# Altium PCB 3-as-manufactured.pcbdoc (part 3 of 12) (continued)
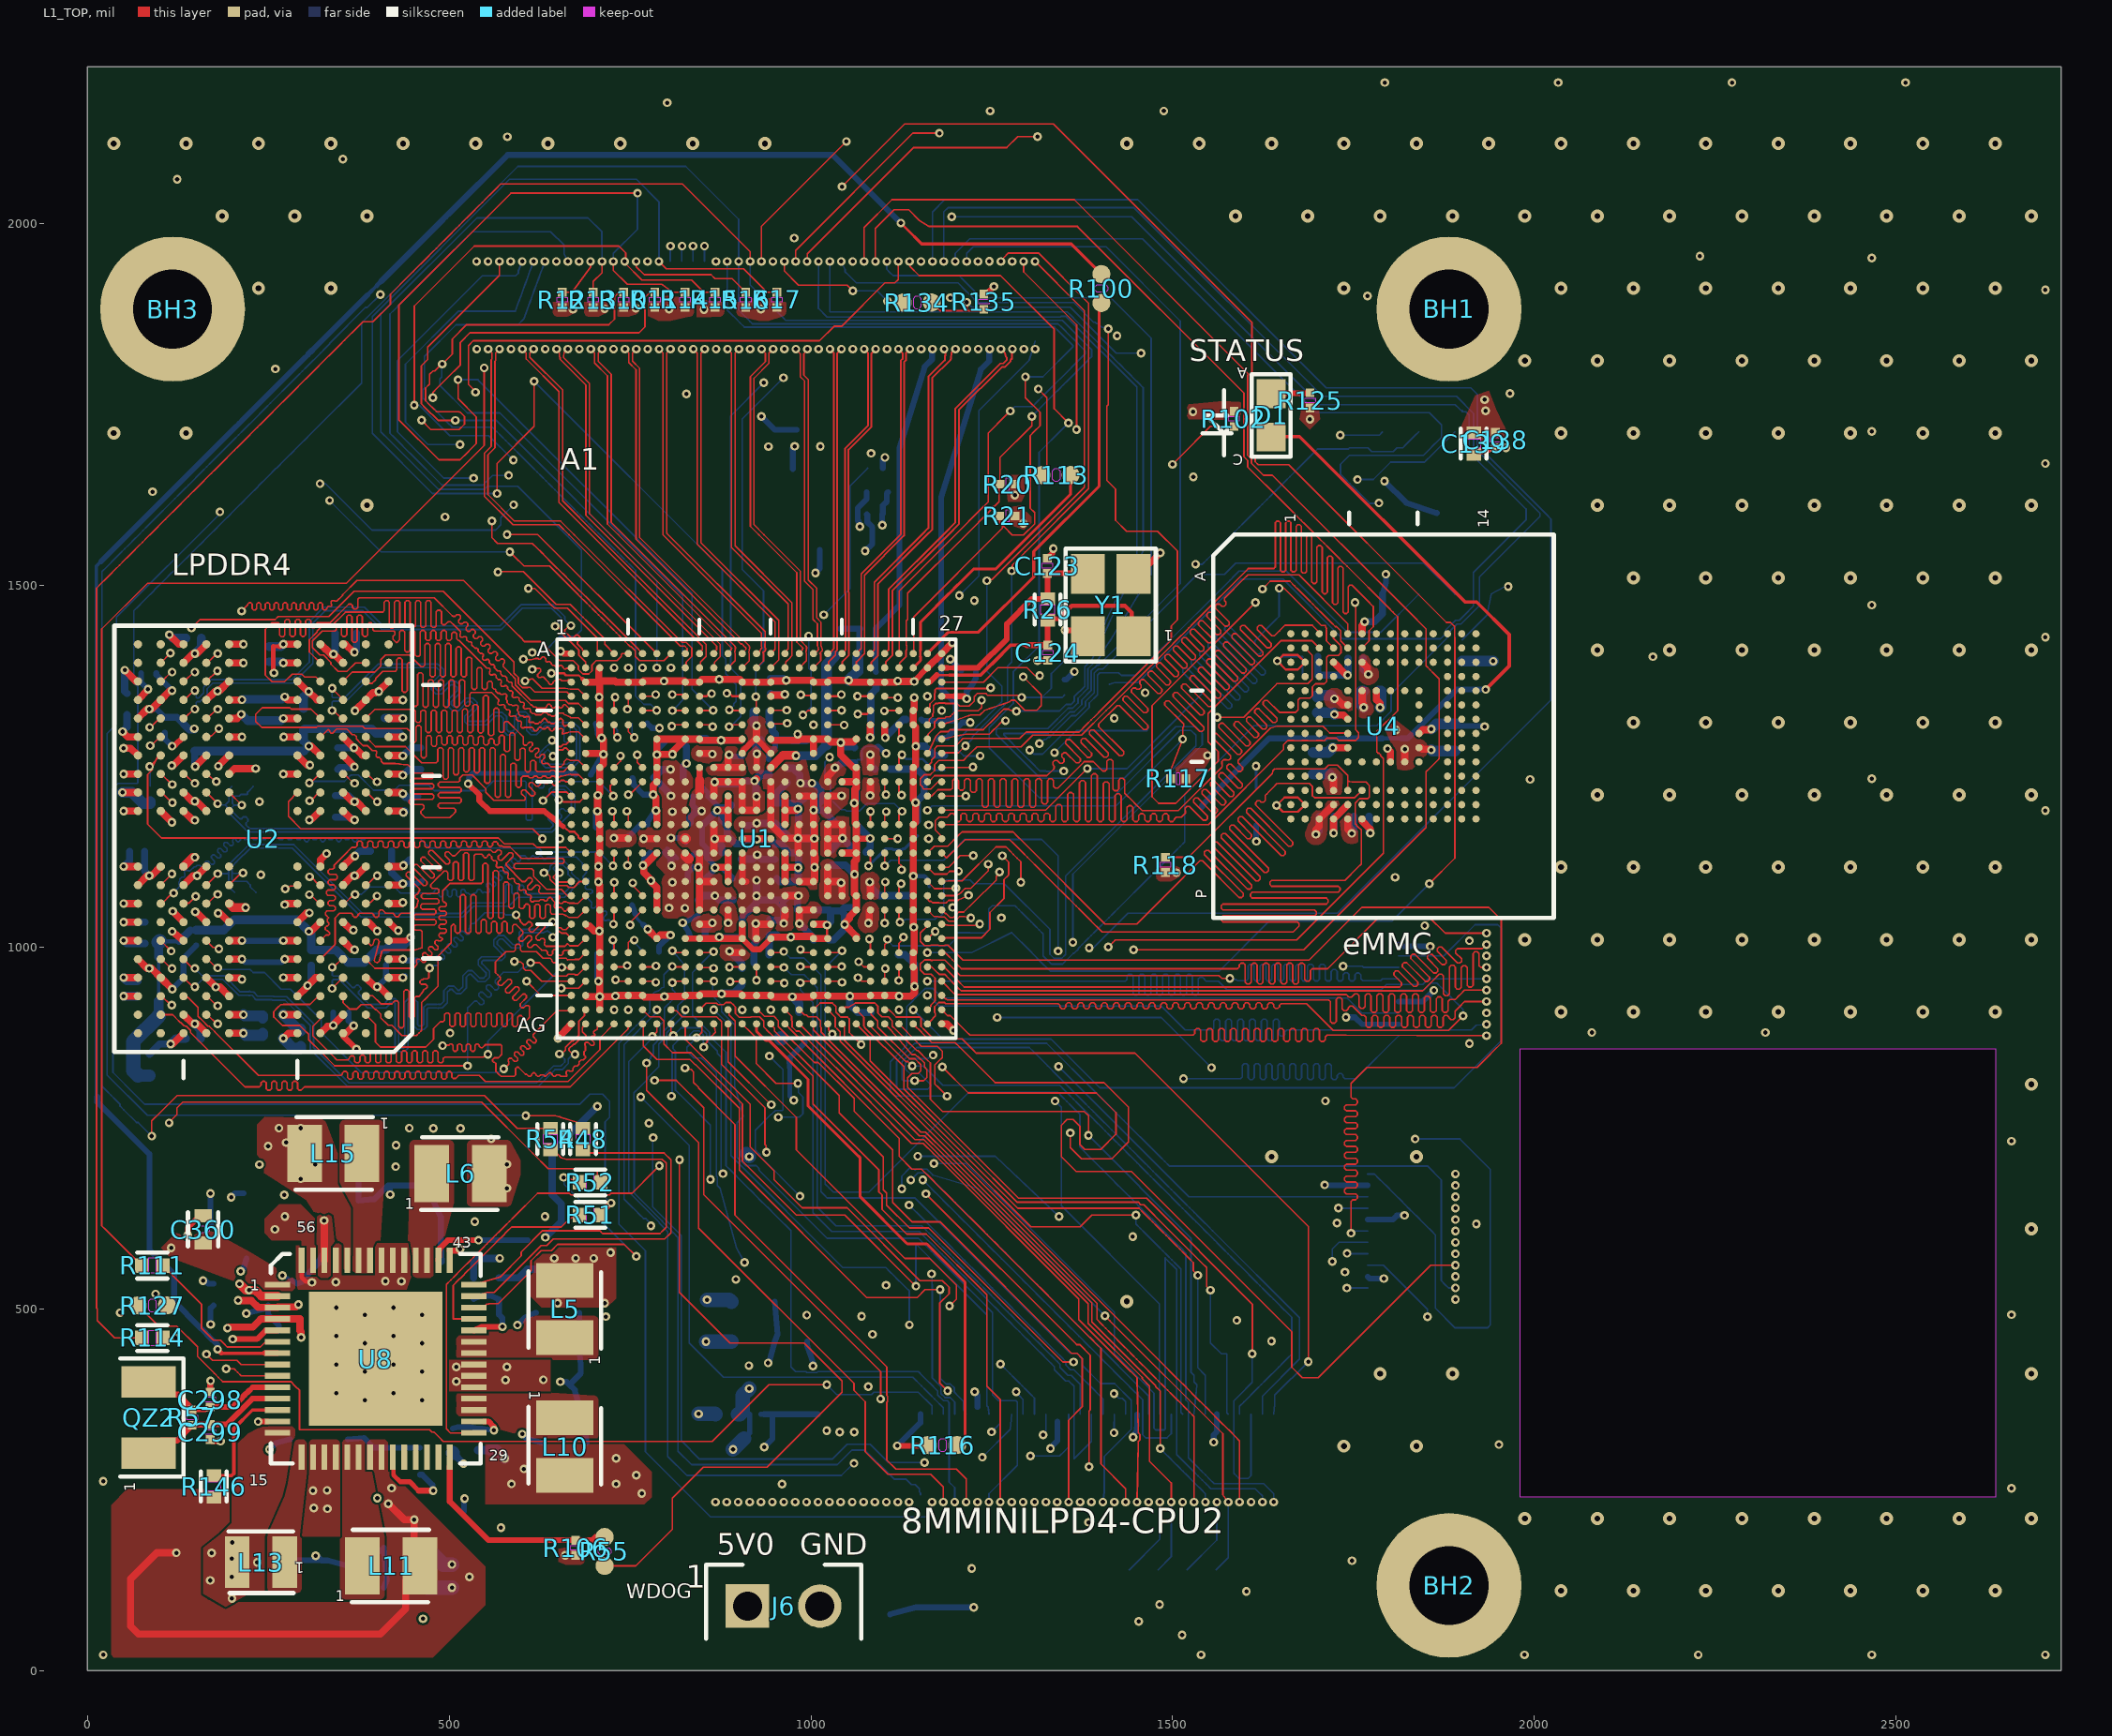
[diagram p0: L1_TOP view]
## Nets (pads, with @x,y where several pads share a name; then routed paths per layer and width w, separated by ;. In a path a pad name is that pad's centre, name@x,y a point inside that pad or via, vN(x,y) a via of type N, cw(c..) or ccw(c..) an arc to the next point about the centre after c; other vN are vias at no path point) (continued)
DRAMA_DATA10: U1.J1 U2.V4 | length 947.3
  L1_TOP w2.2: U2.V4@322.07,1316.24 309.33,1328.98 282.02,1328.98 280,1331 242,1331 233,1322 233,1312 241.26,1303.74 316.74,1303.74 318.55,1305.55 380.41,1305.55 383.8,1302.16 439.83,1302.16 442.22,1302.16 446.93,1297.45 446.93,1284.97 449.09,1282.81 451.97,1282.81 454.13,1284.97 454.13,1304.15 456.29,1306.31 459.17,1306.31 461.33,1304.15 461.33,1263.76 463.49,1261.6 466.37,1261.6 468.53,1263.76 468.53,1290.23 470.69,1292.39 473.57,1292.39 475.73,1290.23 475.73,1279.89 477.89,1277.73 480.77,1277.73 482.93,1279.89 482.93,1290.23 485.09,1292.39 487.97,1292.39 490.13,1290.23 490.13,1281.85 492.29,1279.69 495.17,1279.69 497.33,1281.85 497.33,1290.23 499.49,1292.39 502.37,1292.39 504.53,1290.23 504.53,1281.85 506.69,1279.69 509.57,1279.69 511.73,1281.85 511.73,1290.23 513.89,1292.39 516.77,1292.39 518.93,1290.23 518.93,1281.85 521.09,1279.69 523.97,1279.69 526.13,1281.85 526.13,1290.23 528.29,1292.39 531.17,1292.39 533.33,1290.23 533.33,1281.85 535.49,1279.69 538.37,1279.69 540.53,1281.85 540.53,1289.69 542.69,1291.85 545.57,1291.85 547.73,1289.69 547.73,1281.85 549.89,1279.69 552.77,1279.69 554.93,1281.85 554.93,1286.03 557.09,1288.19 559.97,1288.19 562.13,1286.03 562.13,1281.85 564.29,1279.69 567.17,1279.69 569.33,1281.85 569.33,1290.6 571.49,1292.76 574.37,1292.76 576.53,1290.6 576.53,1272.6 578.69,1270.44 581.57,1270.44 583.73,1272.6 583.73,1294.17 585.89,1296.33 588.77,1296.33 590.93,1294.17 590.93,1260.62 593.09,1258.46 595.97,1258.46 598.13,1260.62 598.13,1272.9 600.29,1275.06 603.17,1275.06 605.33,1272.9 605.33,1244.48 607.49,1242.32 610.37,1242.32 612.53,1244.48 612.53,1255.93 614.69,1258.09 617.57,1258.09 619.73,1255.93 619.73,1244.79 621.89,1242.63 638.96,1242.63 641,1244.67 645.01,1244.67 647.04,1242.63 647.65,1242.63 658.26,1242.63 663.94,1248.31 U1.J1@668.98,1248.32
DRAMA_DATA11: U1.J2 U2.V2 | length 940.6
  L1_TOP w2.2: U2.V2@385.06,1316.24 397.71,1328.89 443.23,1328.89 446.89,1328.89 447.48,1329.23 451.53,1328.17 453.69,1326.01 453.69,1312.67 455.85,1310.51 458.73,1310.51 460.89,1312.67 460.89,1325.3 463.05,1327.46 465.93,1327.46 468.09,1325.3 468.09,1298.75 470.25,1296.59 473.13,1296.59 475.29,1298.75 475.29,1325.3 477.45,1327.46 480.33,1327.46 482.49,1325.3 482.49,1298.75 484.65,1296.59 487.53,1296.59 489.69,1298.75 489.69,1325.3 491.85,1327.46 494.73,1327.46 496.89,1325.3 496.89,1298.75 499.05,1296.59 501.93,1296.59 504.09,1298.75 504.09,1325.3 506.25,1327.46 509.13,1327.46 511.29,1325.3 511.29,1298.75 513.45,1296.59 516.33,1296.59 518.49,1298.75 518.49,1327.03 520.65,1329.19 523.53,1329.19 525.69,1327.03 525.69,1298.75 527.85,1296.59 530.73,1296.59 532.89,1298.75 532.89,1333.08 535.05,1335.24 537.93,1335.24 540.09,1333.08 540.09,1298.21 542.25,1296.05 545.13,1296.05 547.29,1298.21 547.29,1345.64 549.45,1347.8 552.33,1347.8 554.49,1345.64 554.49,1294.55 556.65,1292.39 559.53,1292.39 561.69,1294.55 561.69,1328.21 563.85,1330.37 566.73,1330.37 568.89,1328.21 568.89,1299.12 571.05,1296.96 573.93,1296.96 576.09,1299.12 576.09,1309.74 578.25,1311.9 581.3,1311.9 599.12,1294.09 602.47,1290.73 602.47,1280.67 603.89,1279.26 606.77,1279.26 611.07,1283.55 613.95,1283.55 615.36,1282.14 615.36,1279.26 611.07,1274.96 611.07,1272.08 612.48,1270.67 615.36,1270.67 619.66,1274.96 622.54,1274.96 623.95,1273.55 623.95,1270.67 619.66,1266.37 619.66,1263.49 621.07,1262.07 623.95,1262.07 628.25,1266.37 631.13,1266.37 632.55,1264.95 632.55,1262.07 628.25,1257.78 628.25,1254.9 629.67,1253.48 632.55,1253.48 633.25,1254.19 636.13,1254.19 640.97,1249.35 654.82,1249.35 659.11,1253.65 659.11,1256.53 662.93,1260.34 667.48,1258.15 ; 667.48,1258.17 678.82,1258.17 U1.J2@688.67,1248.32
DRAMA_DATA12: U1.K2 U2.U2 | length 984.1
  L1_TOP w2.2: U2.U2@385.06,1290.65 398.39,1277.32 439.68,1277.32 462,1255 481.26,1255 482.36,1255 484.52,1257.16 484.52,1273.37 486.68,1275.53 489.56,1275.53 491.72,1273.37 491.72,1234.53 493.88,1232.37 496.76,1232.37 498.92,1234.53 498.92,1273.37 501.08,1275.53 503.96,1275.53 506.12,1273.37 506.12,1240.42 508.28,1238.26 511.16,1238.26 513.32,1240.42 513.32,1273.37 515.48,1275.53 518.36,1275.53 520.52,1273.37 520.52,1244.36 522.68,1242.2 525.56,1242.2 527.72,1244.36 527.72,1273.37 529.88,1275.53 532.76,1275.53 534.92,1273.37 534.92,1243.18 537.08,1241.02 539.96,1241.02 542.12,1243.18 542.12,1273.37 544.28,1275.53 547.16,1275.53 549.32,1273.37 549.32,1228.78 551.48,1226.62 554.36,1226.62 556.52,1228.78 556.52,1273.37 558.68,1275.53 561.56,1275.53 563.72,1273.37 563.72,1209.38 565.88,1207.22 568.76,1207.22 570.92,1209.38 570.92,1264.12 573.08,1266.28 575.96,1266.28 578.12,1264.12 578.12,1209.36 580.28,1207.2 583.16,1207.2 585.32,1209.36 585.32,1252.14 587.48,1254.3 590.36,1254.3 592.52,1252.14 592.52,1223.03 594.68,1220.87 597.56,1220.87 599.72,1223.03 599.72,1234.16 601.88,1236.32 606.54,1236.32 609.34,1236.32 611.38,1234.28 615.38,1234.28 617.42,1236.32 621.42,1236.32 623.46,1234.28 627.46,1234.28 629.5,1236.32 633.5,1236.32 635.54,1234.28 639.54,1234.28 641.58,1236.32 645.58,1236.32 647.62,1234.28 651.62,1234.28 653.66,1236.32 655.66,1236.32 661.61,1237.78 667.68,1239.26 668.98,1238.48 678.82,1238.48 U1.K2@688.67,1228.64
DRAMA_DATA13: U1.K1 U2.U4 | length 930
  L1_TOP w2.2: U2.U4@322.07,1290.65 326.48,1294.43 332.85,1300.8 333.08,1300.8 335,1298.88 335,1297.88 337.04,1295.84 339.04,1295.84 344.54,1301.34 358.75,1301.34 366.31,1293.79 369.19,1293.79 372.02,1290.96 372.02,1288.08 374.7,1285.39 374.7,1285.1 381.39,1278.41 387.62,1278.41 394.31,1271.72 398.43,1271.72 399.84,1270.31 399.84,1267.43 399.14,1266.72 399.14,1263.84 400.55,1262.42 403.43,1262.42 406.26,1259.59 406.26,1256.71 408.95,1254.02 411.69,1254.02 411.9,1253.81 421.03,1253.81 421.25,1254.02 425.56,1254.02 431.29,1253.23 437.02,1252.44 443.06,1252.44 450,1245.5 450,1243.78 450,1242.67 452.16,1240.51 476.88,1240.51 479.04,1238.35 479.04,1235.47 476.88,1233.31 449.06,1233.31 446.9,1231.15 446.9,1228.27 449.06,1226.11 476.88,1226.11 479.04,1223.95 479.04,1221.07 476.88,1218.91 448.82,1218.91 446.66,1216.75 446.66,1213.87 448.82,1211.71 476.88,1211.71 479.04,1209.55 479.04,1206.67 476.88,1204.51 446.87,1204.51 444.71,1202.35 444.71,1199.47 446.87,1197.31 463.26,1197.31 465.42,1195.15 465.42,1192.27 463.26,1190.11 461.1,1187.95 461.1,1184.9 466.32,1179.68 467,1179 501,1179 507.86,1185.86 508.96,1186.96 508.96,1190.01 506.8,1192.17 487.31,1192.17 485.15,1194.33 485.15,1197.21 487.31,1199.37 514.77,1199.37 516.93,1201.53 516.93,1204.41 514.77,1206.57 487.31,1206.57 485.15,1208.73 485.15,1211.61 487.31,1213.77 514.77,1213.77 516.93,1215.93 516.93,1218.81 514.77,1220.97 487.31,1220.97 485.15,1223.13 485.15,1226.01 487.31,1228.17 512.84,1228.17 515,1230.33 515,1233.67 515,1234 519,1238 532,1238 551,1219 551,1214 562,1203 603.97,1203 604.36,1203.39 605.14,1204.17 605.14,1207.22 600.05,1212.31 600.05,1215.37 602.08,1217.4 605.14,1217.4 613.43,1209.11 616.49,1209.11 618.52,1211.15 618.52,1214.2 610.23,1222.49 610.23,1225.55 612.27,1227.58 615.32,1227.58 620.41,1222.5 623.47,1222.5 624.54,1223.57 626.57,1225.6 626.57,1226.6 628.61,1228.64 630.61,1228.64 632.65,1226.6 636.65,1226.6 638.69,1228.64 640.69,1228.64 642.73,1226.6 642.73,1225.6 644.77,1223.57 646.77,1223.57 648.8,1225.6 648.8,1226.6 650.84,1228.64 652.84,1228.64 654.88,1230.68 658.88,1230.68 660.92,1228.64 U1.K1@668.98,1228.64
DRAMA_DATA14: U1.E1 U2.AA4 | length 868.7
  L1_TOP w2.2: U2.AA4@322.07,1393.01 307.02,1408.06 307.02,1424.83 317.73,1435.54 317.73,1436.98 322.73,1441.98 333.98,1441.98 336.02,1444.02 337.84,1444.02 356.82,1463 407.04,1463 408.14,1463 410.3,1465.16 410.3,1476.7 412.46,1478.86 415.34,1478.86 417.5,1476.7 417.5,1443.19 419.66,1441.03 422.54,1441.03 424.7,1443.19 424.7,1476.7 426.86,1478.86 429.74,1478.86 431.9,1476.7 431.9,1444.14 434.06,1441.98 436.94,1441.98 439.1,1444.14 439.1,1476.7 441.26,1478.86 444.14,1478.86 446.3,1476.7 446.3,1444.14 448.46,1441.98 451.34,1441.98 453.5,1444.14 453.5,1476.7 455.66,1478.86 458.54,1478.86 460.7,1476.7 460.7,1444.14 462.86,1441.98 465.74,1441.98 467.9,1444.14 467.9,1476.7 470.06,1478.86 472.94,1478.86 475.1,1476.7 475.1,1444.14 477.26,1441.98 480.14,1441.98 482.3,1444.14 482.3,1463.67 484.46,1465.83 487.34,1465.83 489.5,1463.67 489.5,1447.87 491.66,1445.71 494.54,1445.71 496.7,1447.87 498.86,1450.03 501.91,1450.03 507.96,1443.98 515.74,1436.2 515.74,1433.32 515.03,1432.61 515.03,1429.73 516.45,1428.32 519.33,1428.32 520.03,1429.03 522.91,1429.03 524.33,1427.61 524.33,1424.73 527.16,1421.9 530.04,1421.9 531.46,1420.48 531.46,1417.6 535.75,1413.31 538.63,1413.31 540.05,1411.89 540.05,1409.01 542.88,1406.18 545.76,1406.18 547.18,1404.76 547.18,1401.88 546.47,1401.18 546.47,1398.3 547.89,1396.88 550.77,1396.88 551.47,1397.59 554.35,1397.59 555.77,1396.17 555.77,1393.29 558.6,1390.46 561.48,1390.46 562.9,1389.04 562.9,1386.16 567.19,1381.87 570.07,1381.87 571.49,1380.45 571.49,1377.57 574.32,1374.74 577.2,1374.74 578.62,1373.33 580.03,1371.91 580.03,1369.03 582.86,1366.2 585.74,1366.2 587.16,1364.78 587.16,1361.09 613.39,1334.86 614.2,1334.86 617.04,1332.03 619.92,1332.03 621.33,1330.61 633.03,1330.61 635.07,1332.65 635.07,1333.65 637.11,1335.68 639.11,1335.68 641.15,1333.65 641.15,1332.65 643.18,1330.61 645.18,1330.61 647.22,1332.65 651.23,1332.65 653.26,1330.61 655.26,1330.61 657.3,1332.65 657.3,1333.65 658.71,1335.05 660.53,1335.05 668.52,1327.07 U1.E1@668.98,1327.06
DRAMA_DATA15: U1.E2 U2.Y4 | length 904.7
  L1_TOP w2.2: U2.Y4@322.07,1367.42 316.02,1373.47 300.57,1373.47 296.63,1377.4 283.31,1377.4 272.67,1366.76 255.38,1366.76 246,1376.14 246,1439.24 255.41,1448.65 263.71,1448.65 265.87,1446.49 265.87,1431.36 268.03,1429.2 270.91,1429.2 273.07,1431.36 273.07,1450.76 275.23,1452.92 278.11,1452.92 280.27,1450.76 280.27,1431.61 282.43,1429.45 285.31,1429.45 287.47,1431.61 287.47,1450.76 289.63,1452.92 292.51,1452.92 294.67,1450.76 294.67,1431.61 296.83,1429.45 299.71,1429.45 301.87,1431.61 301.87,1450.76 304.03,1452.92 306.91,1452.92 309.07,1450.76 309.07,1443.61 311.23,1441.45 314.11,1441.45 316.27,1443.61 316.27,1446.49 318.43,1448.65 335.9,1448.65 361.45,1474.2 364.51,1474.2 366.67,1472.04 366.67,1469.36 368.83,1467.2 371.71,1467.2 373.87,1469.36 373.87,1480.9 376.03,1483.06 380.26,1483.06 479.54,1483.06 504.6,1457.99 505.38,1457.21 508.43,1457.21 510.71,1459.48 513.76,1459.48 515.8,1457.45 515.8,1454.39 513.34,1451.94 513.34,1448.88 515.38,1446.85 518.44,1446.85 520.89,1449.3 523.94,1449.3 525.98,1447.26 525.98,1444.21 523.53,1441.76 523.53,1438.7 525.56,1436.67 528.62,1436.67 531.07,1439.12 534.13,1439.12 536.16,1437.08 536.16,1434.03 533.71,1431.57 533.71,1428.52 535.75,1426.48 538.8,1426.48 541.25,1428.94 544.31,1428.94 546.34,1426.9 546.34,1423.85 543.89,1421.39 543.89,1418.34 545.93,1416.3 548.98,1416.3 551.44,1418.75 554.49,1418.75 556.53,1416.72 556.53,1413.66 554.07,1411.21 554.07,1408.16 556.11,1406.12 559.16,1406.12 561.62,1408.57 564.67,1408.57 566.71,1406.54 566.71,1403.48 564.26,1401.03 564.26,1397.97 566.29,1395.94 569.35,1395.94 571.8,1398.39 574.85,1398.39 576.89,1396.35 576.89,1393.3 574.62,1391.03 574.62,1387.97 585.49,1377.1 591.7,1370.89 591.7,1362.49 613.2,1340.99 660.82,1340.99 664.9,1336.91 678.82,1336.91 U1.E2@688.67,1327.06
DRAMA_DMI0: U1.A4 U2.Y10 | length 799.2
  L1_TOP w2.2: U2.Y10@133.09,1367.42 134.57,1367.42 147.36,1380.21 v1(148.84,1380.21) ; v1(567.42,1518.58) 568.08,1519.25 602.59,1519.25 648.11,1473.72 667.51,1473.72 685.27,1455.97 691.18,1450.05 697.1,1444.14 715.3,1425.94 715.3,1418.54 U1.A4@728.04,1405.81
  L3_INNER1 w2.2: v1(148.84,1380.21) 148.84,1389.35 163.18,1403.7 163.18,1404.71 169.51,1411.03 175.84,1417.36 182.16,1423.68 188.49,1430.01 194.81,1436.33 201.14,1442.66 207.46,1448.98 309.74,1448.98 322.39,1461.64 328.72,1467.97 335.05,1474.29 379.33,1518.58 407.97,1518.58 410.01,1516.54 414.01,1516.54 416.05,1518.58 418.05,1518.58 420.09,1520.62 420.09,1521.62 422.12,1523.66 424.12,1523.66 426.16,1521.62 426.16,1515.54 428.2,1513.51 430.2,1513.51 432.24,1515.54 432.24,1521.62 434.27,1523.66 436.28,1523.66 438.31,1521.62 438.31,1515.54 440.35,1513.51 442.35,1513.51 444.39,1515.54 444.39,1521.62 446.42,1523.66 448.43,1523.66 450.46,1521.62 450.46,1515.54 452.5,1513.51 454.5,1513.51 456.54,1515.54 456.54,1521.62 458.58,1523.66 460.58,1523.66 462.61,1521.62 462.61,1515.54 464.65,1513.51 466.65,1513.51 468.69,1515.54 468.69,1521.62 470.73,1523.66 472.73,1523.66 474.77,1521.62 474.77,1515.54 476.8,1513.51 478.8,1513.51 480.84,1515.54 480.84,1521.62 482.88,1523.66 484.88,1523.66 489.95,1518.58 v1(567.42,1518.58)
DRAMA_DMI1: U1.F1 U2.Y3 | length 865.7
  L1_TOP w2.2: U2.Y3@353.57,1367.42 366.36,1380.22 397.27,1380.22 405.71,1388.66 405.71,1397.5 412.01,1403.81 445.19,1403.81 460.14,1388.86 461.24,1387.76 464.29,1387.76 466.45,1389.92 466.45,1417.64 468.61,1419.8 471.49,1419.8 473.65,1417.64 473.65,1375.96 475.81,1373.8 478.69,1373.8 480.85,1375.96 480.85,1417.64 483.01,1419.8 485.89,1419.8 488.05,1417.64 488.05,1375.96 490.21,1373.8 493.09,1373.8 495.25,1375.96 495.25,1417.64 497.41,1419.8 500.29,1419.8 502.45,1417.64 502.45,1375.96 504.61,1373.8 507.49,1373.8 509.65,1375.96 509.65,1413.01 511.81,1415.17 514.69,1415.17 516.85,1413.01 516.85,1375.96 519.01,1373.8 521.89,1373.8 524.05,1375.96 524.05,1398.61 526.21,1400.77 529.09,1400.77 531.25,1398.61 531.25,1358.36 533.41,1356.2 536.29,1356.2 538.45,1358.36 538.45,1384.21 540.61,1386.37 543.49,1386.37 545.65,1384.21 545.65,1358.36 547.81,1356.2 550.69,1356.2 552.85,1358.36 552.85,1365.38 555.01,1367.54 557.89,1367.54 560.05,1365.38 560.05,1358.83 562.21,1356.67 563.54,1356.67 564.62,1356.67 564.62,1353.79 567.45,1350.96 570.33,1350.96 571.75,1349.54 574.63,1349.54 575.33,1350.25 578.21,1350.25 579.63,1348.83 579.63,1345.95 578.92,1345.24 578.92,1342.36 580.34,1340.95 580.34,1338.07 583.17,1335.24 586.05,1335.24 587.47,1333.82 590.35,1333.82 591.05,1334.53 593.93,1334.53 595.35,1333.11 595.35,1330.23 594.64,1329.53 594.64,1326.64 596.06,1325.23 596.06,1322.35 598.89,1319.52 601.77,1319.52 603.18,1318.1 606.07,1318.1 606.77,1318.81 609.65,1318.81 611.07,1317.39 611.07,1314.51 610.36,1313.81 610.36,1310.93 616.88,1310.93 618.92,1308.89 622.92,1308.89 624.96,1310.93 626.96,1310.93 628.99,1312.96 628.99,1313.96 631.03,1316 633.03,1316 635.07,1313.96 635.07,1312.96 637.11,1310.93 639.11,1310.93 641.15,1308.89 645.15,1308.89 647.19,1310.93 649.19,1310.93 651.23,1312.96 651.23,1313.96 653.26,1316 655.26,1316 657.3,1313.96 657.3,1307.89 659.34,1305.85 661.34,1305.85 662.26,1306.77 668.37,1306.77 U1.F1@668.98,1307.38
DRAMA_nCS0: U1.K4 U2.R4 | length 631.3
  L1_TOP w2.2: v1(307,1227.15) 308.38,1227.15 320.69,1239.47 U2.R4@322.07,1239.47 ; U1.K4@728.04,1228.64 728.04,1228.52 722.89,1223.37 722.89,1216.38 724.43,1214.84 724.43,1214.44 v1@722.89,1212.9 ; v1@722.89,1212.9 v1(726.89,1208.9) 722.89,1208.9 v1@722.89,1212.9
  L8_BOT w2.2: v1@306.99,1227.15 309.07,1229.22 355.49,1229.22 363.75,1237.48 363.94,1237.48 364.14,1237.69 365.68,1237.69 366.1,1238.11 374.69,1238.11 395.74,1217.07 424.7,1217.07 431.27,1223.64 472.33,1223.64 479.56,1216.41 547.81,1216.41 561.14,1229.74 595.66,1229.74 604.96,1229.74 606.6,1228.1 606.6,1177.07 608.24,1175.43 613.16,1175.43 614.8,1177.07 614.8,1230.75 616.44,1232.39 621.36,1232.39 623,1230.75 623,1221.87 624.64,1220.23 629.56,1220.23 631.2,1221.87 631.2,1228.1 632.84,1229.74 639.4,1229.74 663.86,1229.74 664.72,1228.89 706.9,1228.89 v1(726.89,1208.9)
DRAMA_nCS1: U1.J4 U2.R3 | length 615.3
  L1_TOP w2.2: U2.R3@353.57,1239.47 355.04,1239.47 367.84,1226.67 v1(369.31,1226.67) ; U1.J4@728.04,1248.32 736.91,1257.19 v1(736.91,1264.32)
  L3_INNER1 w2.2: v1(369.31,1226.67) 377.36,1226.67 380.69,1226.67 381.17,1227.15 384.05,1227.15 384.75,1226.44 387.63,1226.44 389.05,1227.86 389.05,1230.74 388.34,1231.45 388.34,1234.33 389.76,1235.74 389.76,1238.62 392.59,1241.45 395.47,1241.45 396.89,1242.87 399.77,1242.87 400.47,1242.16 403.35,1242.16 404.77,1243.58 404.77,1246.46 404.06,1247.17 404.06,1250.05 407.23,1250.05 409.27,1248.01 409.27,1247.01 411.3,1244.97 413.3,1244.97 415.34,1247.01 415.34,1253.08 417.38,1255.12 419.38,1255.12 421.42,1253.08 421.42,1247.01 423.45,1244.97 425.46,1244.97 427.49,1247.01 427.49,1248.01 429.53,1250.05 431.53,1250.05 433.57,1252.08 437.57,1252.08 439.61,1250.05 441.61,1250.05 443.65,1248.01 443.65,1247.01 445.68,1244.97 447.69,1244.97 449.72,1247.01 449.72,1253.08 451.76,1255.12 453.76,1255.12 455.8,1253.08 455.8,1247.01 457.84,1244.97 459.84,1244.97 461.87,1247.01 461.87,1253.08 463.91,1255.12 465.91,1255.12 467.95,1253.08 467.95,1247.01 469.99,1244.97 471.99,1244.97 474.03,1247.01 474.03,1253.08 476.06,1255.12 478.06,1255.12 480.1,1253.08 480.1,1247.01 482.14,1244.97 484.14,1244.97 486.18,1247.01 486.18,1253.08 488.21,1255.12 490.22,1255.12 492.25,1253.08 492.25,1247.01 494.29,1244.97 496.29,1244.97 498.33,1247.01 498.33,1253.08 500.36,1255.12 502.37,1255.12 504.4,1253.08 504.4,1247.01 506.44,1244.97 508.44,1244.97 510.48,1247.01 510.48,1253.08 512.52,1255.12 514.52,1255.12 516.55,1253.08 516.55,1247.01 518.59,1244.97 520.59,1244.97 522.63,1247.01 522.63,1248.01 524.67,1250.05 526.67,1250.05 528.71,1248.01 532.71,1248.01 534.75,1250.05 536.75,1250.05 538.78,1252.08 538.78,1253.08 540.82,1255.12 542.82,1255.12 544.86,1253.08 544.86,1252.08 546.9,1250.05 548.9,1250.05 550.94,1248.01 554.94,1248.01 556.98,1250.05 558.98,1250.05 561.02,1252.08 561.02,1253.08 563.05,1255.12 565.05,1255.12 567.09,1253.08 567.09,1252.08 569.13,1250.05 571.13,1250.05 573.17,1248.01 577.17,1248.01 579.21,1250.05 581.21,1250.05 583.25,1252.08 583.25,1253.08 585.28,1255.12 587.28,1255.12 589.32,1253.08 589.32,1252.08 591.36,1250.05 593.36,1250.05 595.4,1248.01 599.4,1248.01 601.44,1250.05 603.44,1250.05 605.48,1252.08 605.48,1253.08 607.51,1255.12 609.52,1255.12 611.55,1253.08 611.55,1252.08 613.59,1250.05 615.59,1250.05 617.63,1248.01 621.63,1248.01 623.67,1250.05 625.67,1250.05 627.71,1252.08 627.71,1253.08 629.74,1255.12 631.75,1255.12 633.78,1253.08 633.78,1252.08 635.82,1250.05 637.82,1250.05 639.86,1248.01 643.86,1248.01 645.9,1250.05 647.9,1250.05 649.9,1250.05 651.94,1248.01 655.94,1248.01 657.98,1250.05 659.98,1250.05 662.02,1252.08 662.02,1253.08 664.06,1255.12 666.06,1255.12 668.1,1253.08 668.1,1252.08 671.22,1248.96 679.12,1248.96 680.21,1250.05 682.21,1250.05 684.25,1252.08 684.25,1253.08 686.29,1255.12 688.29,1255.12 690.33,1253.08 690.33,1252.08 692.36,1250.05 694.36,1250.05 695.99,1248.42 700.82,1248.42 702.44,1250.05 704.44,1250.05 706.48,1252.08 706.48,1253.08 708.52,1255.12 710.52,1255.12 712.56,1253.08 712.56,1252.08 714.59,1250.05 718.14,1253.59 721.68,1257.13 724.56,1257.13 725.27,1256.43 728.15,1256.43 729.57,1257.84 729.57,1258.21 735.67,1264.31 v1(736.91,1264.32)
DRAMA_SDQS0_C: U1.B2 U2.V10 | length 745.6
  L1_TOP w2.3: U2.V10@133.09,1316.24 134.57,1316.24 147.36,1329.03 v1(148.84,1329.03) ; v1(646.7,1443.55) 650.01,1443.55 655.17,1438.39 655.17,1434.54 679.53,1410.18 679.53,1403.29 688.67,1394.15 U1.B2@688.67,1386.12
  L8_BOT w2.3: v1(148.84,1329.03) 150.68,1330.87 150.68,1338.08 152.03,1339.42 155.92,1339.42 165.83,1349.34 165.83,1357.36 173.52,1365.05 284.84,1365.05 311.8,1392.01 311.8,1447.91 328.89,1465 381,1465 406.8,1439.2 571.99,1439.2 601.39,1468.61 641.63,1468.61 655.15,1455.09 655.15,1452.42 646.7,1443.98 v1(646.7,1443.55)
DRAMA_SDQS0_T: U1.A2 U2.W10 | length 745.2
  L1_TOP w2.3: U2.W10@133.09,1341.83 134.57,1341.83 147.36,1354.62 v1(148.84,1354.62) ; v1(668.39,1444.4) 665.93,1444.4 659.97,1438.44 659.97,1436.53 667.39,1429.1 668.21,1428.29 668.78,1427.72 671.72,1427.72 675.3,1431.3 678.23,1431.3 681.17,1428.36 681.17,1425.43 677.59,1421.85 677.59,1418.91 683.46,1413.04 684.27,1412.23 684.33,1412.17 684.33,1411.01 688.67,1406.67 U1.A2@688.67,1405.81
  L8_BOT w2.3: v1(148.84,1354.62) 150.68,1352.78 150.68,1345.57 152.03,1344.23 153.93,1344.23 161.03,1351.33 161.03,1359.35 171.53,1369.85 282.85,1369.85 307,1394 307,1449.9 326.9,1469.8 382.99,1469.8 408.79,1444 570,1444 599.41,1473.41 643.62,1473.41 659.94,1457.08 659.94,1452.42 667.97,1444.4 v1(668.39,1444.4)
DRAMA_SDQS1_C: U1.H1 U2.V3 | length 809.8
  L1_TOP w2.3: v1(338.43,1327.13) 340.56,1327.13 351.44,1316.24 U2.V3@353.57,1316.24 ; v1(643.7,1264) 643.7,1264.67 651.6,1272.57 656.96,1272.57 659.85,1275.45 661.76,1275.45 668.98,1268.23 U1.H1@668.98,1268.01
  L8_BOT w2.3: v1(338.43,1327.13) 338.43,1338.7 339.85,1340.11 357.78,1340.11 403.96,1386.3 482.9,1386.3 487.65,1381.55 487.65,1376.69 475.31,1364.35 475.31,1356.31 481.38,1350.25 489.89,1350.25 502.28,1362.64 507.64,1362.64 510.86,1359.41 510.86,1354.02 498.51,1341.66 498.51,1333.11 504.59,1327.03 513.16,1327.03 525.49,1339.37 530.91,1339.37 534.07,1336.2 534.07,1331.65 521.72,1319.29 521.72,1311.59 525.88,1307.43 552.27,1307.43 564.54,1319.7 571.55,1319.7 574.97,1316.27 574.97,1298.74 580.63,1293.09 589.2,1293.09 595.19,1299.07 595.19,1316.6 598.95,1320.36 603.71,1320.36 607.12,1316.95 607.12,1299.42 612.75,1293.79 620.77,1293.79 632.85,1305.87 647.89,1305.87 657.34,1305.87 659,1304.21 659,1285.06 660.66,1283.4 665.64,1283.4 667.3,1285.06 667.3,1304.21 668.96,1305.87 670.13,1305.87 671.02,1304.98 676,1300 676,1260 670.41,1254.41 664.81,1254.41 663.45,1253.05 635.24,1253.05 630.5,1257.8 630.5,1266.95 636.7,1273.28 v1@644.83,1265.15
DRAMA_SDQS1_T: U1.G1 U2.W3 | length 801.1
  L1_TOP w2.3: v1@338.34,1357.59 353.57,1342.36 U2.W3@353.57,1341.83 ; v1(642.37,1285.93) 643.03,1285.93 651.6,1277.36 654.97,1277.36 657.86,1280.26 661.76,1280.26 668.98,1287.48 U1.G1@668.98,1287.7
  L8_BOT w2.3: v1(338.61,1357.86) 338.5,1357.75 338.5,1346.26 339.85,1344.92 355.79,1344.92 401.97,1391.1 484.89,1391.1 492.45,1383.53 492.45,1374.7 480.11,1362.37 480.11,1358.3 483.37,1355.05 487.9,1355.05 500.29,1367.44 509.62,1367.44 515.66,1361.4 515.66,1352.03 503.31,1339.68 503.31,1335.1 506.58,1331.83 511.17,1331.83 523.5,1344.17 532.89,1344.17 538.87,1338.19 538.87,1329.66 526.52,1317.31 526.52,1313.57 527.87,1312.23 550.29,1312.23 562.55,1324.5 573.53,1324.5 579.77,1318.26 579.77,1300.73 582.62,1297.89 587.21,1297.89 590.39,1301.06 590.39,1318.59 596.96,1325.16 605.7,1325.16 611.92,1318.94 611.92,1301.41 614.74,1298.59 618.78,1298.59 630.86,1310.67 647.89,1310.67 672.12,1310.67 680.8,1301.99 680.8,1258.01 672.4,1249.61 666.8,1249.61 665.44,1248.25 633.26,1248.25 625.7,1255.81 625.7,1267.92 625.7,1268.01 625.7,1268.09 625.71,1268.17 625.72,1268.26 625.74,1268.34 625.75,1268.42 625.77,1268.51 625.79,1268.59 625.82,1268.67 625.85,1268.75 625.88,1268.83 625.91,1268.91 625.95,1268.98 625.98,1269.06 626.03,1269.13 626.07,1269.2 626.12,1269.27 626.16,1269.34 626.22,1269.41 626.27,1269.48 626.32,1269.54 626.38,1269.6 633.26,1276.64 638.98,1280.65 v1@643.73,1283.99
DRAMB_CA0: U1.W6 U2.H2 | length 735.4
  L1_TOP w2.2: U2.H2@385.06,1060.33 386.48,1061.75 391.38,1061.75 v1(400.38,1070.75) ; v1(750.19,1030.9) 750.19,1034.26 U1.W6@767.41,1051.48
  L3_INNER1 w2.2: v1(400.38,1070.75) 408.43,1070.75 411.41,1073.74 413.59,1073.74 415.63,1075.77 415.63,1076.77 417.66,1078.81 419.67,1078.81 421.7,1076.77 421.7,1070.7 423.74,1068.66 425.74,1068.66 427.78,1070.7 427.78,1071.7 429.81,1073.74 431.82,1073.74 433.85,1075.77 437.86,1075.77 439.89,1073.74 441.9,1073.74 443.93,1071.7 443.93,1070.7 445.97,1068.66 447.97,1068.66 450.01,1070.7 450.01,1076.77 452.04,1078.81 454.05,1078.81 456.08,1076.77 456.08,1070.7 458.12,1068.66 460.12,1068.66 462.16,1070.7 462.16,1076.77 464.2,1078.81 466.2,1078.81 468.23,1076.77 468.23,1070.7 470.27,1068.66 472.27,1068.66 474.31,1070.7 474.31,1076.77 476.35,1078.81 478.35,1078.81 480.39,1076.77 480.39,1070.7 482.42,1068.66 484.42,1068.66 486.46,1070.7 486.46,1076.77 488.5,1078.81 490.5,1078.81 492.54,1076.77 492.54,1070.7 494.57,1068.66 496.58,1068.66 498.61,1070.7 498.61,1076.77 500.65,1078.81 502.65,1078.81 504.69,1076.77 504.69,1070.7 506.73,1068.66 508.73,1068.66 510.76,1070.7 510.76,1076.77 512.8,1078.81 514.8,1078.81 516.84,1076.77 516.84,1070.7 518.88,1068.66 520.88,1068.66 522.91,1070.7 522.91,1076.77 524.95,1078.81 526.95,1078.81 528.99,1076.77 528.99,1070.7 531.03,1068.66 533.03,1068.66 535.07,1070.7 535.07,1076.77 537.1,1078.81 539.1,1078.81 541.14,1076.77 541.14,1070.7 543.18,1068.66 545.18,1068.66 547.22,1070.7 547.22,1076.77 548.83,1078.39 551.68,1078.39 553.29,1076.77 553.29,1070.7 555.33,1068.66 557.33,1068.66 559.37,1070.7 559.37,1076.77 561.41,1078.81 563.41,1078.81 565.44,1076.77 565.44,1070.7 567.48,1068.66 569.48,1068.66 571.52,1070.7 571.52,1076.77 573.14,1078.39 575.98,1078.39 577.59,1076.77 577.59,1070.7 579.63,1068.66 581.63,1068.66 583.67,1070.7 583.67,1076.77 585.71,1078.81 587.71,1078.81 589.75,1076.77 589.75,1070.7 591.78,1068.66 593.78,1068.66 595.82,1070.7 595.82,1076.77 597.86,1078.81 599.86,1078.81 601.9,1076.77 601.9,1070.7 603.93,1068.66 605.94,1068.66 607.97,1070.7 607.97,1076.77 610.01,1078.81 612.01,1078.81 614.05,1076.77 614.05,1070.7 616.09,1068.66 618.09,1068.66 620.12,1070.7 620.12,1071.7 622.16,1073.74 622.96,1072.94 624.37,1071.53 624.37,1068.65 627.2,1065.81 630.08,1065.81 631.5,1064.4 634.38,1064.4 635.09,1065.11 637.97,1065.11 639.38,1063.69 639.38,1061.79 640.67,1060.5 661.31,1060.5 663.11,1062.3 665.11,1062.3 667.14,1060.26 667.14,1054.18 669.18,1052.15 671.18,1052.15 673.22,1054.18 673.22,1060.26 675.26,1062.3 677.26,1062.3 679.3,1060.26 679.3,1054.18 681.33,1052.15 683.33,1052.15 685.37,1054.18 685.37,1060.26 687.41,1062.3 689.41,1062.3 691.45,1060.26 691.45,1054.18 693.48,1052.15 695.48,1052.15 697.52,1054.18 697.52,1060.26 699.56,1062.3 701.56,1062.3 703.6,1060.26 703.6,1054.18 705.63,1052.15 707.64,1052.15 709.67,1054.18 709.67,1060.26 711.71,1062.3 713.71,1062.3 715.75,1060.26 715.75,1054.18 717.79,1052.15 719.79,1052.15 721.82,1054.18 721.82,1055.18 723.86,1057.22 728.77,1052.31 730.18,1050.9 730.18,1048.02 733.02,1045.19 735.9,1045.19 737.31,1043.77 740.19,1043.77 740.9,1044.48 743.78,1044.48 745.2,1043.06 745.2,1040.18 744.49,1039.47 744.49,1036.59 v1(750.19,1030.9)